# Allegro board LAY-38820_A.brd (continued)
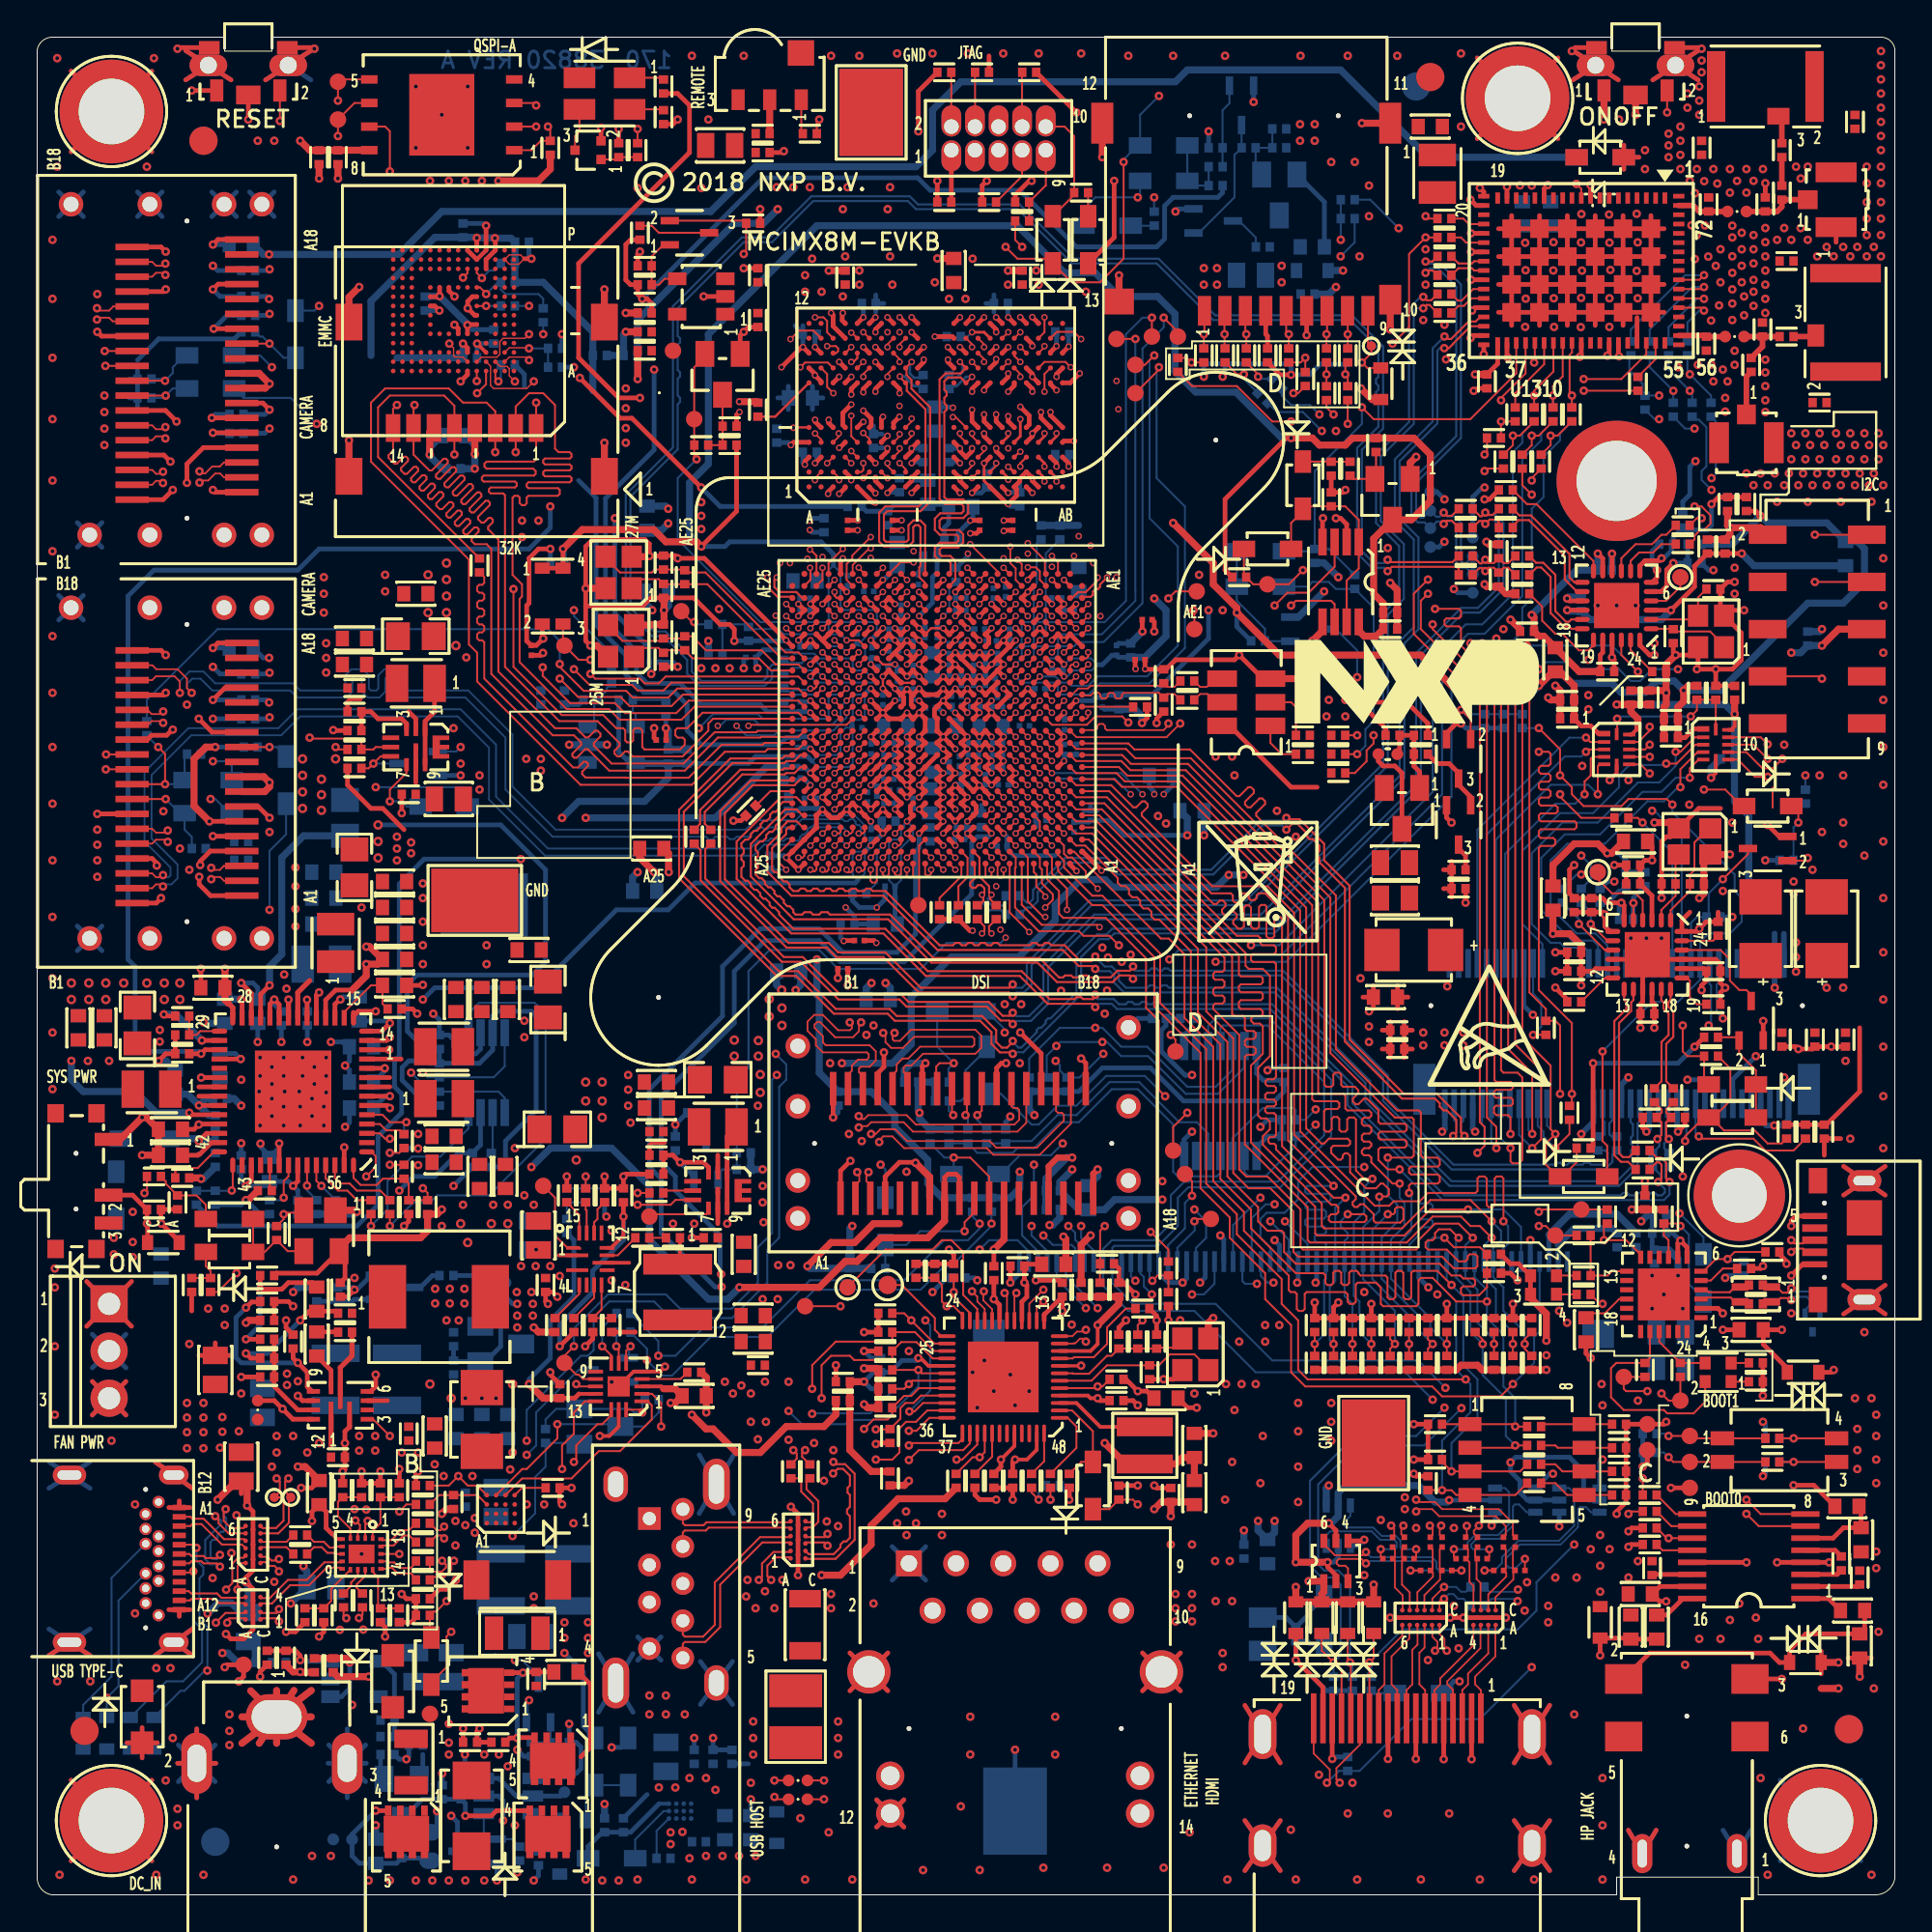
[diagram p0: board, top side]
## Copper pours and planes (outline as drawn; the poured copper is in the pictures) (continued)
NVCC_3V3 on L3_POWER_1: 30.16,4.89 29.91,5.14 29.91,21.02 28.38,22.54 11.49,22.54 10.73,23.3 10.73,33.08 11.24,33.59 35.37,33.59 35.88,33.08 35.88,28.64 45.15,19.37 68.9,19.37 69.15,19.11 69.79,19.11 70.04,19.37 79.06,19.37 80.45,20.76 80.45,34.73 80.83,35.11 80.83,37.15 80.45,37.53 80.45,57.09 74.36,63.18 62.04,63.18 61.53,63.69 61.53,67.75 61.78,68.01 68.77,68.01 69.53,68.77 69.53,87.18 64.96,91.76 11.37,91.76 10.86,92.26 10.86,95.95 11.11,96.2 16.95,96.2 18.6,97.85 73.09,97.85 77.41,93.53 85.28,93.53 88.07,90.74 88.07,87.95 88.33,87.69 89.72,87.69 90.11,87.31 90.11,86.3 89.85,86.04 88.58,86.04 88.07,85.53 88.07,83.5 88.45,83.12 90.36,83.12 90.61,82.87 90.61,81.85 90.49,81.72 90.49,76.77 90.61,76.64 90.61,72.96 95.19,68.39 95.19,12.38 88.45,5.65 71.44,5.65 71.06,6.03 69.28,6.03 68.9,5.65 44.13,5.65 43.37,4.89 ; 3 cut-outs
NVCC_3V3 on L6_INT_2: 22.03,88.33 22.03,86.04 21.34,85.34 21.34,82.8 18.99,80.45 18.99,78.17 20.13,77.02 22.54,77.02 22.8,77.28 22.8,77.79 22.92,77.91 23.81,77.91 23.94,77.79 23.94,76.01 23.56,75.63 18.35,75.63 17.02,76.96 17.02,81.98 18.35,83.31 18.35,89.98 21.4,93.03 24.83,93.03 25.27,92.58 25.27,91.57
NVCC_3V3 on L6_INT_2: 58.74,35.62 61.15,35.62 63.05,33.72 63.05,31.18 62.55,30.67 60.77,30.67 60.13,31.3 57.97,31.3 54.93,34.35 54.93,35.5 55.18,35.75 56.2,35.75 56.45,36 56.45,36.26 54.74,37.97 52.58,37.97 52.39,38.16 52.39,38.92 52.64,39.18 55.18,39.18
NVCC_3V3 on L6_INT_2: 59.63,28.64 62.42,28.64 63.31,27.75 63.31,18.73 62.8,18.22 60.26,18.22 58.86,19.62 58.86,27.88
NVCC_3V3 on L8_INT_3: 15.05,85.28 14.41,84.64 11.49,84.64 10.86,85.28 10.86,94.55 11.37,95.06 14.67,95.06 15.05,94.68
NVCC_DRAM_1V1 on TOP: 42.86,86.93 48.07,86.93 48.32,87.18 51.75,87.18 52.01,86.93 54.04,86.93 54.29,86.68 54.29,85.41 54.04,85.15 53.53,85.15 53.4,85.03 53.4,84.52 53.28,84.39 53.15,84.39 52.39,85.15 51.62,85.15 50.86,84.39 50.61,84.39 50.48,84.52 50.48,85.03 50.35,85.15 50.23,85.15 49.47,84.39 47.43,84.39 46.67,85.15 46.42,85.15 46.29,85.03 46.29,84.64 46.16,84.52 45.91,84.52 45.27,85.15 44.39,85.15 43.62,84.39 43.37,84.39 43.12,84.64 43.12,85.15 42.73,85.53 42.73,86.8
NVCC_DRAM_1V1 on BOTTOM: 49.85,78.29 46.8,78.29 46.67,78.42 46.67,78.68 46.29,79.06 46.29,79.82 46.42,79.95 47.43,79.95 47.56,79.82 47.56,79.44 47.81,79.18 49.21,79.18 49.59,79.56 49.59,80.2 49.72,80.33 50.35,80.33 50.48,80.2 50.48,78.93
NVCC_DRAM_1V1 on BOTTOM: 47.31,68.01 47.18,68.13 47.18,68.39 47.31,68.52 49.59,68.52 49.85,68.77 49.85,70.17 49.97,70.29 50.35,70.29 50.61,70.04 52.51,70.04 52.77,70.29 53.4,70.29 53.53,70.17 53.53,69.15 53.4,69.02 50.61,69.02 49.59,68.01
NVCC_DRAM_1V1 on BOTTOM: 45.4,69.28 44.89,69.79 44.89,70.42 45.78,71.31 45.78,71.82 45.91,71.94 46.67,71.94 46.8,71.82 46.8,71.06 47.18,70.67 47.69,70.67 47.81,70.55 47.81,70.04 47.05,69.28
NVCC_DRAM_1V1 on BOTTOM: 55.05,70.55 56.83,70.55 56.96,70.42 56.96,69.79 56.83,69.66 55.69,69.66 55.56,69.53 55.56,68.77 55.43,68.64 55.05,68.64 54.93,68.77 54.93,70.42
NVCC_DRAM_1V1 on BOTTOM: 15.68,58.23 15.18,57.72 14.29,57.72 14.03,57.97 14.03,61.78 14.41,62.17 17.33,62.17 17.72,61.78 17.72,58.48 17.46,58.23
NVCC_DRAM_1V1 on BOTTOM: 41.59,71.18 42.35,71.18 42.48,71.06 42.48,70.29 42.23,70.04 42.23,68.77 42.1,68.64 41.59,68.64 41.46,68.77 41.46,71.06
NVCC_DRAM_1V1 on L3_POWER_1: 52.89,68.39 51.24,68.39 50.86,68.01 47.56,68.01 46.93,68.64 44.13,68.64 43.5,68.01 42.48,68.01 42.23,67.75 27.24,67.75 17.72,58.23 12.76,58.23 12.38,58.61 5.27,58.61 4.38,59.5 4.38,86.93 8.95,91.5 64.83,91.5 69.15,87.18 69.15,69.02 68.52,68.39 58.23,68.39 57.34,67.5 53.78,67.5
NVCC_SD2 on TOP: 32.83,85.41 32.96,85.53 34.99,85.53 35.11,85.41 35.11,81.85 34.61,81.34 32.96,81.34 32.83,81.47
SR_VLX on TOP: 74.36,92.26 76.52,92.26 76.64,92.14 76.64,91.38 77.41,90.61 78.17,90.61 78.29,90.49 78.29,90.36 78.17,90.23 77.15,90.23 76.77,90.61 74.48,90.61 74.23,90.87 74.23,92.14
USB_HOST_VBUS on BOTTOM: 35.88,1.59 35.75,1.71 35.75,3.24 35.88,3.36 40.32,3.36 40.58,3.11 40.58,1.84 40.32,1.59
USB_HOST_VBUS on L8_INT_3: 38.16,5.27 39.31,4.13 39.31,1.97 38.8,1.46 29.15,1.46 23.3,7.3 23.3,13.78 28,18.48 28.38,18.48 30.8,20.89 33.72,20.89 33.97,20.64 33.97,18.73 33.84,18.6 32.45,18.6 32.19,18.35 32.19,13.02 38.16,7.05
USB_VBUS on TOP: 4.76,11.87 9.46,11.87 10.86,13.27 11.75,13.27 11.87,13.14 11.87,12.76 12,12.64 12.64,12.64 12.76,12.51 12.76,11.75 12.64,11.62 11.49,11.62 9.84,9.97 4.76,9.97 4.63,10.1 4.63,11.75
USB_VBUS on TOP: 6.29,20.38 6.79,20.38 6.92,20.26 6.92,19.79 7.17,19.54 8.01,19.54 8.01,19.54 8.12,19.54 8.19,19.47 8.19,19.25 8.12,19.19 7,19.19 6.79,18.99 6.29,18.99 6.16,19.11 6.16,20.26
USB_VBUS on TOP: 6.29,17.21 7.01,17.21 7.18,17.03 8.26,17.03 8.32,16.97 8.32,16.75 8.23,16.66 7.3,16.66 7.09,16.44 7.09,15.92 6.98,15.81 6.29,15.81 6.16,15.94 6.16,17.08
USB_VBUS on TOP: 26.61,15.05 26.35,15.3 26.35,18.48 25.59,19.24 25.59,20 25.34,20.26 25.21,20.26 25.08,20.38 25.08,20.64 25.13,20.69 26.68,20.69 27.11,20.26 29.4,20.26 29.53,20.13 29.53,13.02 29.27,12.76 26.73,12.76 26.61,12.89
USB_VBUS on BOTTOM: 9.59,12.38 9.71,12.51 10.22,12.51 10.35,12.38 10.35,12.25 10.6,12 11.37,12 11.49,12.13 11.49,12.76 11.62,12.89 12.76,12.89 12.89,12.76 12.89,11.11 12.76,10.98 9.71,10.98 9.59,11.11
USB_VBUS on BOTTOM: 8.06,15.81 7.94,15.68 6.29,15.68 6.16,15.81 6.16,17.08 6.29,17.21 6.79,17.21 7.05,17.46 7.05,18.86 6.92,18.99 6.29,18.99 6.16,19.11 6.16,20.13 6.41,20.38 7.81,20.38 8.06,20.13
USB_VBUS on L3_POWER_1: 29.53,10.48 28.64,9.59 12,9.59 6.16,15.43 6.16,20 6.79,20.64 7.3,20.64 8.95,22.29 28.13,22.29 29.53,20.89
VPCIE_3V3 on TOP: 91.5,51.24 91.76,51.5 98.36,51.5 98.49,51.37 98.49,46.29 98.36,46.16 93.53,46.16 93.41,46.29 93.41,48.2 92.52,49.08 91.76,49.08 91.5,49.34
VPCIE_3V3 on TOP: 73.34,44.13 73.34,47.31 72.83,47.81 72.83,48.7 73.21,49.08 73.85,49.08 74.1,49.34 74.1,51.88 73.21,52.77 73.21,56.32 72.96,56.58 72.96,58.23 73.21,58.48 74.87,58.48 75.37,57.97 75.37,56.58 76.26,55.69 76.26,53.53 77.28,52.51 77.28,44.13 77.02,43.88 73.6,43.88
VPCIE_3V3 on BOTTOM: 97.34,53.4 97.47,53.28 97.47,48.7 97.34,48.58 96.07,48.58 95.44,49.21 94.68,49.21 94.42,49.47 94.42,51.24 94.3,51.37 93.53,51.37 93.41,51.5 93.41,53.28 93.53,53.4
VPCIE_3V3 on BOTTOM: 77.15,48.7 77.15,45.78 76.9,45.53 72.83,45.53 72.45,45.91 72.45,52.01 72.71,52.26 76.52,52.26 76.64,52.13 76.64,49.21
VPCIE_3V3 on L6_INT_2: 85.28,53.15 95.57,53.15 97.09,51.62 97.09,46.8 96.2,45.91 92.52,45.91 90.99,47.43 88.2,47.43 87.82,47.05 86.04,47.05 83.37,44.39 72.96,44.39 72.71,44.64 72.71,48.83 77.53,53.66 84.77,53.66
VSD_3V3 on TOP: 65.72,88.45 65.98,88.71 67.25,88.71 67.5,88.45 67.5,86.68 67.25,86.42 66.74,86.42 66.61,86.3 66.61,84.01 66.36,83.76 65.85,83.76 65.72,83.88
VSD_3V3 on BOTTOM: 66.36,91.25 67.88,91.25 68.39,90.74 68.39,87.31 68.26,87.18 68.26,85.79 68.13,85.66 65.85,85.66 65.59,85.91 65.59,87.82 66.1,88.33 66.1,90.99
VSYS on TOP: 10.6,27.75 10.6,26.61 11.37,25.84 12.64,25.84 13.27,25.21 15.43,25.21 15.68,25.46 15.68,26.61 15.94,26.61 15.94,25.72 16.06,25.59 16.06,23.3 15.81,23.05 14.41,23.05 14.16,23.3 8.44,23.3 7.68,24.07 7.68,27.75 7.94,28 10.35,28
VSYS on TOP: 27.75,35.24 28.21,34.78 28.21,34.64 28.32,34.54 29.66,34.54 29.71,34.49 29.71,34.28 29.65,34.23 28.51,34.23 27.75,33.46 27.75,33.08 27.62,32.96 26.22,32.96 25.84,33.34 25.84,34.35 26.22,34.73 26.22,35.11 26.35,35.24
VSYS on BOTTOM: 57.59,19.11 46.16,19.11 45.91,19.37 45.91,20.64 46.16,20.89 58.74,20.89 59.75,19.87 62.55,19.87 62.93,19.49 62.93,14.16 62.67,13.91 60.26,13.91 60.01,14.16 60.01,16.7
VSYS on BOTTOM: 88.07,27.11 88.2,27.24 88.2,29.15 88.33,29.27 91.25,29.27 91.38,29.15 91.38,19.62 85.79,14.03 81.47,14.03 81.09,14.41 81.09,16.06 83.12,18.1 83.12,18.99 84.14,20 85.66,20 86.68,21.02 86.68,22.8 87.06,23.18 87.69,23.18 88.07,23.56
VSYS on BOTTOM: 10.73,21.02 8.32,23.43 6.92,23.43 6.67,23.68 6.67,27.56 7.24,28.13 7.24,32.38 10.35,35.5 19.87,35.5 21.27,36.89 23.3,36.89 24.95,35.24 27.75,35.24 28,34.99 28,33.46 27.49,32.96 25.95,32.96 25.09,33.81 24.28,33.81 24.19,33.72 24.19,33.72 14.54,33.72 13.78,32.96 11.18,32.96 9.78,31.56 9.78,27.3 10.92,26.16 14.1,26.16 14.54,26.61 14.54,27.11 14.67,27.24 17.46,27.24 17.59,27.11 17.59,25.08 18.1,24.57 18.86,24.57 19.11,24.32 19.11,22.54 21.53,20.13 21.53,19.75 22.67,18.6 22.92,18.6 23.05,18.48 23.05,16.7 23.43,16.32 26.22,16.32 26.35,16.19 26.35,13.02 26.1,12.76 25.46,12.76 25.21,12.51 19.49,12.51 19.37,12.64 19.37,12.89 19.11,13.14 13.02,13.14 12.25,13.91 12.25,16.19 11.87,16.57 11.87,17.33 10.73,18.48
VSYS on L6_INT_2: 21.02,27.11 21.53,27.62 24.95,27.62 25.46,27.11 28,27.11 28.64,26.48 30.67,26.48 32.96,24.19 37.02,24.19 38.42,22.8 39.81,22.8 41.59,21.02 48.45,21.02 48.96,20.51 48.96,18.99 48.7,18.73 46.29,18.73 44.89,17.33 44.89,15.94 42.35,13.4 31.81,13.4 27.24,17.97 27.24,24.32 26.73,24.83 25.84,24.83 24.95,23.94 19.24,23.94 18.6,23.3 13.02,23.3 12.64,23.68 12.64,25.08 14.67,27.11
VSYS on L6_INT_2: 60.9,16.83 66.23,16.83 66.74,16.32 71.94,16.32 75.25,19.62 85.03,19.62 85.28,19.37 85.28,16.7 82.87,14.29 60.9,14.29 60.77,14.41 60.77,16.7
VSYS_IN on TOP: 25.46,4.63 22.03,4.63 21.91,4.76 21.91,9.33 22.03,9.46 22.41,9.46 22.54,9.33 22.54,7.94 22.67,7.81 29.53,7.81 29.65,7.68 29.65,4.25 29.53,4.13 27.11,4.13 26.99,4.25 26.99,4.89 26.86,5.02 25.84,5.02
VSYS_IN on BOTTOM: 25.59,6.79 25.46,6.67 24.95,6.67 24.83,6.79 21.65,6.79 21.27,7.17 20.64,7.17 20.51,7.3 20.51,8.44 20.38,8.57 19.75,8.57 19.62,8.7 19.62,12 19.75,12.13 25.46,12.13 25.59,12
N101008744 on TOP: 24.57,20.64 24.83,20.64 24.95,20.51 24.95,20.26 25.08,20.13 25.21,20.13 25.34,20 25.34,18.86 24.83,18.35 24.83,15.81 24.57,15.56 23.05,15.56 22.8,15.81 22.8,18.1 24.49,19.79 24.49,20.56
N101008879 on TOP: 18.1,1.08 17.97,1.21 17.97,3.75 18.1,3.87 29.02,3.87 29.27,3.62 29.27,1.33 29.02,1.08
N101020581 on TOP: 25.34,15.18 25.46,15.05 25.46,12.76 24.7,12 24.7,9.84 24.57,9.71 22.29,9.71 22.16,9.84 22.16,13.52 22.8,14.16 22.8,14.79 23.18,15.18
N101800242 on BOTTOM: 88.2,31.94 87.69,31.43 87.69,27.62 87.57,27.49 85.41,27.49 85.28,27.62 85.28,31.3 84.9,31.69 82.36,31.69 82.23,31.81 82.23,34.86 82.49,35.11 86.3,35.11 86.42,34.99 86.42,34.48 86.68,34.23 87.95,34.23 88.2,33.97
N101995244 on L4_INT_1: 81.09,52.89 89.98,52.89 90.36,52.51 90.36,48.7 90.11,48.45 82.99,48.45 82.23,49.21 80.96,49.21 80.71,49.47 80.71,52.51
N103592100 on BOTTOM: 7.05,33.72 7.3,33.46 7.3,32.83 6.79,32.32 6.79,28.51 6.29,28 2.22,28 1.71,28.51 1.71,33.21 2.22,33.72
N103620792 on TOP: 16.95,28 16.57,27.62 16.57,27.24 16.45,27.11 16.45,26.1 16.19,26.1 16.19,29.27 16.7,29.78 16.7,31.56 17.33,32.19 17.33,34.35 17.72,34.73 20,34.73 20.38,34.35 20.38,30.67 17.72,28
N103621414 on TOP: 36.38,34.61 36.51,34.48 36.51,33.21 36.38,33.08 32.19,33.08 31.43,33.84 31.43,34.1 31.94,34.61
N103621426 on TOP: 21.65,44 21.65,41.91 21.53,41.78 20.32,41.78 18.6,43.5 18.6,43.88 18.86,44.13 21.53,44.13
N103622250 on TOP: 22.16,38.92 22.16,44 22.29,44.13 25.08,44.13 25.21,44 25.21,42.73 25.46,42.48 27.62,42.48 27.75,42.35 27.75,39.05 27.62,38.92
N103623826 on BOTTOM: 6.29,41.34 6.41,41.46 10.22,41.46 10.35,41.34 10.35,39.81 10.22,39.69 6.41,39.69 6.29,39.81
N103635764 on TOP: 20,64.2 20.51,63.69 20.51,63.44 20.38,63.31 20.13,63.31 19.75,63.69 18.6,63.69 18.1,64.2 17.33,64.2 17.21,64.32 17.21,65.21 17.33,65.34 17.33,68.39 17.59,68.64 19.87,68.64 20,68.52
N103635890 on TOP: 22.67,66.23 22.67,63.69 22.29,63.31 20.89,63.31 20.76,63.44 20.76,66.23 20.89,66.36 22.54,66.36
N103636723 on TOP: 36.26,40.45 36.77,39.94 36.77,39.45 36.69,39.38 36.57,39.38 36.13,39.81 34.99,39.81 34.48,40.32 33.72,40.32 33.46,40.58 33.46,41.46 33.59,41.59 33.59,44.64 33.84,44.89 36.13,44.89 36.26,44.77
N103636825 on TOP: 38.92,42.48 38.92,39.94 38.54,39.56 37.52,39.56 37.28,39.32 37.08,39.32 37.02,39.38 37.02,42.48 37.15,42.61 38.8,42.61
N103650219 on BOTTOM: 17.84,55.82 18.48,55.18 18.48,49.21 18.22,48.96 15.81,48.96 15.68,49.08 15.68,57.59 15.81,57.72 17.46,57.72 17.84,57.34
N103650238 on TOP: 14.54,54.8 14.79,55.05 18.86,55.05 18.99,54.93 18.99,51.37 18.86,51.24 17.72,51.24 17.46,51.5 14.67,51.5 14.54,51.62
N103650295 on TOP: 12.89,50.23 13.65,50.23 13.78,50.1 13.78,48.07 13.65,47.94 13.4,47.94 12.76,48.58 12.76,50.1
N103650295 on BOTTOM: 14.03,47.94 13.27,47.94 13.02,48.2 13.02,49.72 13.52,50.23 13.52,51.24 13.65,51.37 14.79,51.37 14.92,51.24 14.92,48.83
N103650305 on TOP: 1.46,43.37 1.46,46.29 1.59,46.42 4.25,46.42 4.38,46.54 6.16,46.54 6.29,46.42 6.29,45.02 5.9,44.64 5.9,42.48 5.78,42.35 4.51,42.35 3.62,43.24 1.59,43.24
N103650305 on BOTTOM: 1.33,46.29 1.46,46.42 4.38,46.42 4.63,46.16 4.63,44.51 4.38,44.26 1.59,44.26 1.33,44.51
N103650457 on TOP: 22.22,46.61 21.78,47.05 21.78,47.69 22.03,47.94 28.76,47.94 28.89,47.81 28.89,44.77 28.64,44.51 22.41,44.51 22.22,44.7
N103650494 on TOP: 16.83,49.08 15.05,49.08 14.29,48.32 14.03,48.32 13.91,48.45 13.91,50.23 14.67,50.99 17.21,50.99 17.33,50.86 17.33,49.59
N103650496 on TOP: 21.65,46.8 21.65,44.7 21.53,44.58 21.46,44.58 21.4,44.51 19.49,44.51 18.99,45.02 18.99,45.15 19.37,45.53 19.37,46.8 19.49,46.93 21.53,46.93
N103650498 on TOP: 6.67,42.23 6.54,42.35 6.54,44.39 6.67,44.51 7.94,44.51 8.83,43.62 8.83,42.86 8.44,42.48 8.32,42.48 8.06,42.23
N104225839 on BOTTOM: 35.62,4 35.62,4.25 35.5,4.38 34.73,4.38 34.61,4.51 34.73,4.63 34.99,4.63 35.11,4.76 35.11,5.02 35.37,5.27 37.53,5.27 37.65,5.14 37.65,4 37.53,3.87 35.75,3.87
N104354797 on BOTTOM: 3.36,41.59 5.02,41.59 5.27,41.34 5.27,38.16 5.14,38.04 3.24,38.04 3.11,38.16 3.11,41.34
N105182437 on BOTTOM: 21.53,29.15 20.64,28.26 14.67,28.26 14.54,28.38 14.54,31.3 14.67,31.43 21.4,31.43 21.53,31.3
N105182502 on BOTTOM: 23.56,18.86 25.84,18.86 26.73,19.75 30.29,19.75 30.54,19.49 30.54,17.33 30.16,16.95 23.56,16.95 23.43,17.08 23.43,18.73
N106061331 on TOP: 25.08,9.08 24.95,9.21 24.95,11.37 25.08,11.49 29.02,11.49 29.4,11.11 29.4,8.32 29.15,8.06 27.37,8.06 27.24,8.19 27.24,8.95 27.11,9.08
N106166151 on TOP: 19.11,6.67 21.65,6.67 21.78,6.54 21.78,4.25 21.65,4.13 19.49,4.13 19.37,4.25 19.37,4.89 18.99,5.27 18.99,6.54
N106882181 on TOP, BOTTOM: 84.77,94.68 86.55,94.68 86.93,94.3 86.93,92.65 86.55,92.26 85.15,92.26 84.64,92.77 84.64,94.55
N106882183 on TOP: 80.83,91.76 80.83,91.12 80.71,90.99 79.56,90.99 79.44,91.12 79.44,92.26 80.2,93.03 81.22,93.03 82.23,94.04 83.63,94.04 83.76,93.92 83.76,92.9 83.5,92.65 81.72,92.65
N106882183 on BOTTOM: 79.56,92.39 81.72,92.39 81.85,92.26 81.85,90.87 81.72,90.74 79.56,90.74 79.44,90.87 79.44,92.26

Small or netless copper shapes (teardrops, artwork), in the pictures only: 5 on BOTTOM

## Text on the board
BOTTOM: 170-38820 REV A | 13 OF 16 | L10_SS
Board Geometry/Soldermask Bottom: 14 OF 16 | SECONDARY SOLDERMASK
Package Geometry/Pastemask Bottom: SECONDARY SOLDERPASTE | 16 OF 16
Ref Des/Silkscreen Bottom: GND | EXP CN | M.2 | 15 OF 16 | SECONDARY SILKSCREEN
TOP: 4 OF 16 | L1_PS
Board Geometry/Soldermask Top: 3 OF 16 | PRIMARY SOLDERMASK
Package Geometry/Pastemask Top: 1 OF 16 | PRIMARY SOLDERPASTE
Ref Des/Silkscreen Top: SYS PWR | USB TYPE-C | FAN PWR | DC_IN | QSPI-A | 32K | GND | JTAG | DSI | BOOT1 | BOOT0 | I2C | CAMERA | EMMC | 25M | 27M | REMOTE | USB HOST | A25 | AE25 | A1 | AE1 | ETHERNET | HDMI | HP JACK | ON | RESET | B | MCIMX8M-EVKB | D | C | ONOFF | A | 2 OF 16 | PRIMARY SILKSCREEN
L2_GND_1: 5 OF 16 | L2_GND_1
L3_POWER_1: 6 OF 16 | L3_POWER_1
L4_INT_1: 7 OF 16 | L4_INT_1
L5_GND_2: 8 OF 16 | L5_GND_2
L6_INT_2: 9 OF 16 | L6_INT_2
L7_GND_3: 10 OF 16 | L7_GND_3
L8_INT_3: 11 OF 16 | L8_INT_3
L9_GND_4: 12 OF 16 | L9_GND_4
FABRICATION_NOTES: TU768P: 2.741mil | TU768P: 4.409mil | TU768P: 4.491mil | TU768P: 4.465mil | TU768: 3.94mil | TU768P: 2.743mil | 23. THIS BOARD USES VIA-IN-PAD: | 24.  INTENTIONAL 7 SHORTS AT: | A. VIA-IN-PAD TO BE FILLED WITH NON-CONDUCTIVE VIA FILL. | B. OVERPLATE THE FILLED VIA AND APPLY FINISH METAL TREATMENT. | Location           RefDes      Net 1             Net 2 | (55.00 1685.00)    SH704     N103650305     &  VDD_DRAM_0V9 | (515.00 2020.00)   SH706     N103650238     &  NVCC_1V8 | (495.00 2125.00)   SH703     N103650219     &  NVCC_DRAM_1V1 | (645.00 2510.00)   SH708     N103635764     &  VDD_SOC_0V9 | (945.00 1465.00)   SH701     N103622250     &  VDD_GPU_0V9 | (925.00 1740.00)   SH702     N103650457     &  VDD_VPU_0V9 | (1285.00 1570.00)  SH709     N103636721     &  VDD_ARM_0V9 | LACKWERKE-PETERS PP2795 OR EQUIVALENT AND MADE PLANAR TO THE PADS. | 16 | b. THE PCI CARD EDGE CONNECTOR GOLD FINGERS, PLATING REQUIREMENTS: | 30U OVER HARD GOLD OVER 100~200U NICKEL BOTH SIDES OF THE BOARD. | 17 | 8 | LAYER 7  L7_GND_3     1 oz. | LAYER 8  L8_INT_3     1 oz. | LAYER 9  L9_GND_4     1 oz. | LAYER 10 L10_SS       0.333 oz+plating.
DIMENSION: GRID ORIGIN | PRIMARY DATUM | VIEW FROM PRIMARY SIDE
User.10: [MM] | 07-06-17 | 08-09-17 | 09-27-17 | 12-22-17 | 04-09-18 | J.J. | B2. | B4 | A1 | B1 | B2 | UPDATE | UPDATE WIFI AND TYPE-C | UPDATE Power and SD reset | MODIFY BOARD NAME AND ADD FCC ID | modify I2C chip and update layout | 1
User.11: 50 OHMS SINGLE ENDED | TRACE: 12 MILS+/_10% | Trace Width | Impedance | (Ohms) | (Mils) | Trace Spacing | "Airgap" | L1_PS | L10_SS | 6.00 | 4.50 | 4.60 | 42 | 12 | 4.20 | 50 | RF | 5.00 | 5.50 | 85 | 4.30 | 3.50 | 7.00 | 6.30 | 90 | 3.80 | 3.00 | 11.20 | 8.50 | 100 | Single Ended | Differential
User.20: FIGURE | FINISHED_SIZE | 8.0 | 10.0 | 16.0 | 28.0 | 31.0 | 32.0 | 35.0 | 36.0 | 40.0 | 47.0 | 67.0 | 116.0 | 139.0 | 170.0 | 26.0 | 39.0 | 43.0 | 59.0 | 61.0 | 63.0 | 122.0 | 126.0 | 44.0x20.0 | 47.0x20.0 | 51.0x20.0 | 55.0x32.0 | 59.0x20.0 | 66.0x35.0 | 79.0x40.0 | 83.0x32.0 | 83.0x35.0 | 106.0x71.0 | DRILL CHART: TOP to BOTTOM | ALL UNITS ARE IN MILS | TOLERANCE_DRILL | +0.0/-0.0 | +0.0/-8.0 | +0.0/-10.0 | +2.0/-2.0 | +3.0/-3.0 | +3.15/-0.0 | +1.0/-2.0 | PLATED | NON-PLATED | QTY | 711 | 1958 | 54 | 12 | 9 | 10 | 24 | 4 | 3 | 2 | 1 | 6
